# KiCad board OTTO-Beta-Main.kicad_pcb (continued)
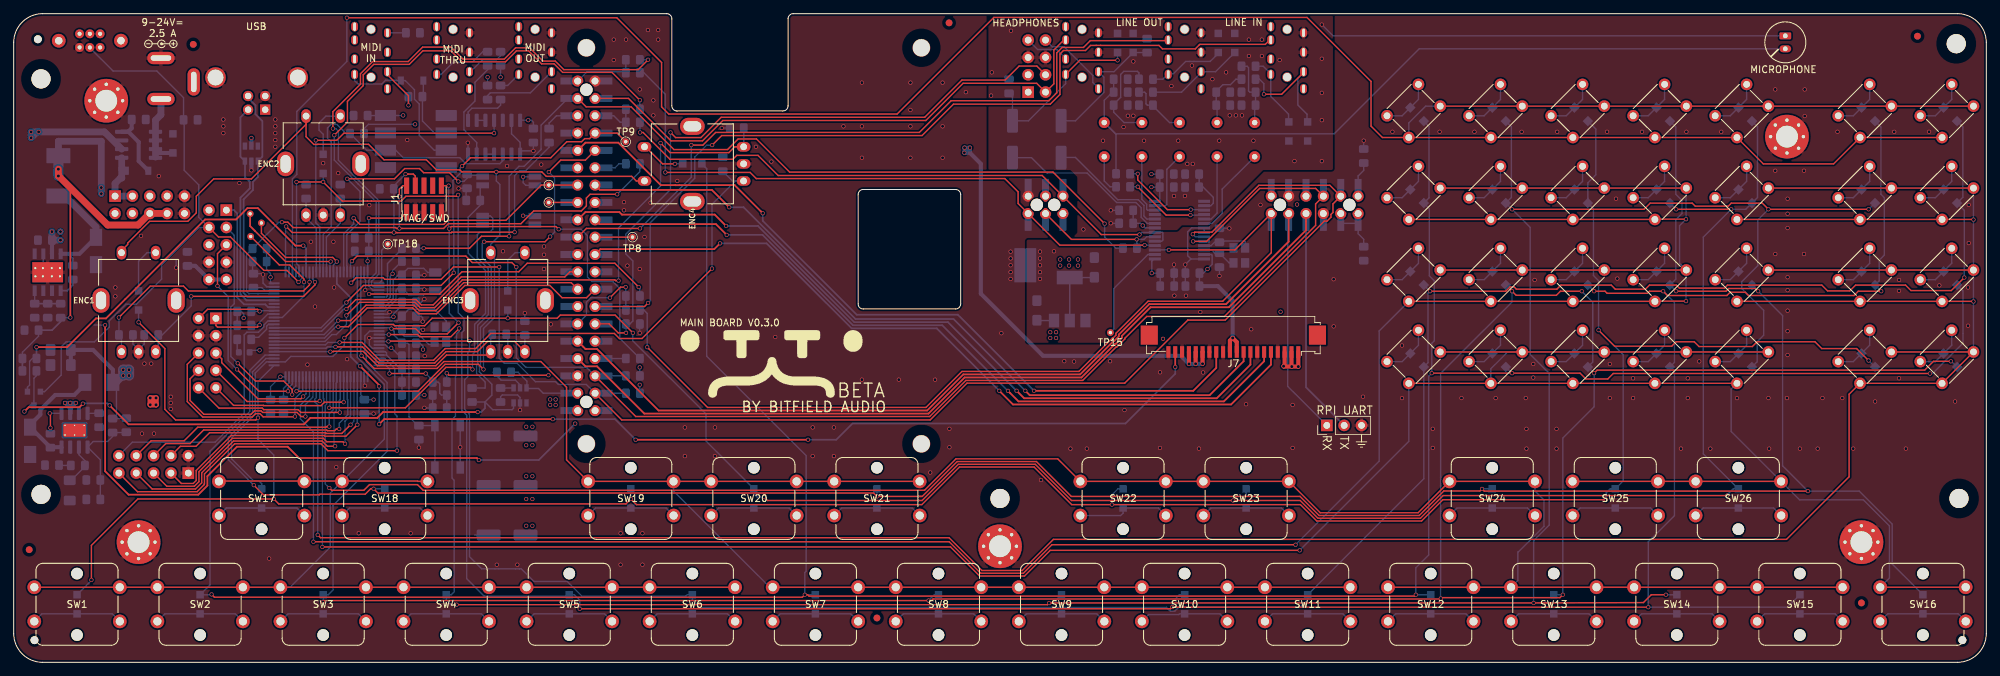
[diagram p0: board, top side]
## Routing (per net, layer and track width the routed paths; a pad name or vN(x,y) marks a point on that pad's centre or on a via; arc(x,y) is an arc through that point) (continued)
/MCU/ROW_8: length 332
  Top w0.203: v1(207.17,54.35) 218.24,54.35 218.87,54.98 219.47,54.98 219.8,54.65 225.72,54.65 226.32,55.25 233.67,55.25 234.27,54.65 238.67,54.65 239.27,55.25 243.2,55.25 243.64,54.8 250.22,54.8 250.67,55.25 264.47,55.25 265.32,54.4 268.57,54.4 269.42,55.25 276.72,55.25 277.52,54.45 283.42,54.45 v1(285.32,56.35) ; v1(54.82,47) 54.87,47.05 v1(66.67,47.05)
  Bottom w0.203: D64.1 285.11,78.41 285.11,68.11 D47.1 285.32,66.2 v1(285.32,56.35) ; D34.1 v1(207.17,54.35) 206.87,54.05 206.87,43.87 D27.1 206.26,26.89 D11.1 189.27,9.15 188.17,8.05 170.38,8.05 169.83,7.5 169.18,7.5 168.63,8.05 100.37,8.05 99.27,9.15 D6.1 98.52,9.9 98.32,9.7 83.11,9.7 80.96,11.85 76.1,11.85 74.25,13.7 73.96,13.7 73.96,13.7 73.38,13.7 73.38,13.7 70.96,13.7 70.96,13.7 70.38,13.7 70.38,13.7 68.44,13.7 66.67,15.47 ; v1(66.67,47.05) 66.67,45.6 66.42,45.35 66.42,41.85 65.97,41.4 65.97,37.05 66.67,36.35 66.67,15.51 ; U202.18 v1(54.82,47)
/MCU/SPI_MISO_MCU: length 16
  Top w0.203: TP17.1 36.24,62.83 39.77,59.3 42.56,59.3 42.56,59.3 46.67,59.3 v1(47.27,58.7)
  Bottom w0.203: v1(47.27,58.7) 46.77,58.2 46.77,57.17
/MCU/SPI_SCLK_MCU: length 17.3
  Top w0.203: 35.32,63.15 39.77,58.7 v1(46.37,58.7)
  Top w0.254: TP16.1 34.59,63.88 35.32,63.15
  Bottom w0.203: 46.27,57.17 46.27,58.6 v1(46.37,58.7)
/MCU/STATUS_LED: length 4.4
  Bottom w0.203: 38.09,49.5 37.26,49.5 36.99,49.23 36.99,48.77 35.82,47.6 34.74,47.6
/MCU/USBD_N: length 34
  Bottom w0.254: USB201.2 33.17,79.82 33.17,74.05 U204.3
  Bottom w0.261: 38.09,53 38.08,53.02 34.05,53.02 33.17,53.9 33.17,68.05 34.54,69.42 34.54,70.38 33.84,71.07 33.84,73.42
/MCU/USBD_P: length 35.5
  Bottom w0.254: 34.15,82.8 35.37,81.58 35.37,80.27 36.37,79.27 36.37,74.05 U204.1
  Bottom w0.261: 38.09,53.5 34.22,53.5 33.63,54.09 33.63,67.81 35,69.18 35,70.38 35.72,71.1 35.72,73.42
/PWM1_GPIO13_RASPI: length 73.7
  Top w0.203: TP9.1 88.26,77.51 J201.33 84.23,76.7 83.52,76.7 83.07,76.25 80.91,76.25 78.56,73.9 66.82,73.9 v1(65.59,72.67) ; v1(48.67,52.7) 48.67,52.7 51.17,55.2 62.52,55.2 v1(64.37,57.05)
  Bottom w0.203: v1(48.67,52.7) 44.97,49 38.09,49 ; v1(64.37,57.05) 64.37,64.71 64.26,64.82 64.26,70.57 65.3,71.6 65.3,72.38 v1(65.59,72.67) ; J201.33 J201.33
/SPI_MISO_RASPI: length 6.9
  Top w0.203: J201.21 TP8.1
  Bottom w0.203: J201.21 J201.21
AMP_ENABLE: length 100.3
  Top w0.203: v1(89.57,48.25) 88.42,48.25 87.1,49.57 J201.11 ; v1(96.07,77.6) 96.82,76.85 100.52,76.85 103.5,79.82 133.25,79.82 138.7,85.27 145.02,85.27 147.07,87.32 149.66,87.32 J2.4
  Bottom w0.203: 87.1,49.57 J201.11 J201.11 ; v1(96.07,77.6) 96.07,69.25 89.55,62.73 89.55,59.79 90.57,58.77 90.57,50 90.12,49.55 R26.1 ; v1(89.57,48.25) 89.57,49.45 89.54,49.47
BL_PWM: length 114.7
  Top w0.254: J201.32 83.64,76.11 88.44,76.11 94.66,69.88 96.76,69.88 96.77,69.87 97.37,69.87 97.38,69.88 105.45,69.88 v1(109.57,65.77) ; v1(149.24,39.77) 172.55,39.77 175.9,43.13 J7.13
  Bottom w0.203: J201.32 J201.32
  Bottom w0.254: v1(109.57,65.77) 109.57,64.65 123.31,50.91 138.1,50.91 v1(149.24,39.77)
DISPLAY_RESET: length 112.5
  Top w0.254: J7.9 179.9,44.1 174.93,39.12 148.62,39.12 v1(147.97,39.77) ; J201.27 85.74,69.19 102.12,69.19 v1(104.66,66.65)
  Bottom w0.254: v1(104.66,66.65) 106.76,66.65 123.14,50.28 137.47,50.28 v1(147.97,39.77) ; J201.27 J201.27
HP_SENSE: length 83
  Top w0.203: 153.87,91.3 153.77,91.3 152.14,89.67 152.14,84.72 J2.2 149.64,84.8 138.87,84.8 133.42,79.35 103.72,79.35 100.75,76.38 96.14,76.38 89.93,82.59 J201.37
  Bottom w0.203: J201.37 J201.37
I2C_SCL: length 206.4
  Top w0.203: v1(73.52,57.9) 72.87,58.55 67.08,58.55 66.14,59.5 50.22,59.5 v1(49.47,58.75) ; J201.5 90.99,36 133.98,36 139.27,41.29 156.36,41.29 161.25,46.18 161.35,46.18 162.53,47.37 162.53,47.46 165.73,50.66 177.11,50.66 190.43,63.98 190.43,67.13 J206.5 190.43,69.41 182.25,69.41 174.49,61.65 v1(172.52,61.65)
  Bottom w0.203: R202.2 J201.5 J201.5 83.79,43.2 74.92,43.2 73.52,44.6 v1(73.52,57.9) ; v1(49.47,58.75) 49.27,58.55 49.27,57.17 ; 173.37,61.67 173.34,61.65 v1(172.52,61.65) ; J206.5 J206.5
I2C_SDA: length 211.5
  Top w0.203: J201.3 88.95,35.5 134.06,35.5 139.44,40.89 162.51,40.89 171.75,50.12 171.75,50.12 177.21,50.12 191.7,64.62 192.1,64.62 192.68,65.2 192.68,65.6 192.97,65.89 192.97,67.13 J206.3 192.52,69.86 182.13,69.86 175.27,63 172.77,63 v1(172.47,62.7) ; v1(71.02,57.9) 64.33,57.9 62.53,56.1 54.27,56.1 54.05,56.32 50.09,56.32 v1(49.37,55.6)
  Bottom w0.203: v1(49.37,55.6) 49.77,56 49.77,57.17 ; J206.3 J206.3 ; 173.37,62.32 172.84,62.32 v1(172.47,62.7) ; v1(71.02,57.9) 71.02,44.55 71.77,43.8 73.62,43.8 76.32,41.1 79.27,41.1 79.67,40.7 83.75,40.7 J201.3 J201.3 89.53,39.41 R205.2
I2S_BCLK: length 15.2
  Top w0.203: v1(89.52,54.95) 88.77,54.95 v1(87.22,53.4)
  Bottom w0.203: R231.1 R235.1 89.52,53.67 v1(89.52,54.95) ; J201.12 J201.12 83.78,50.85 83.78,52.76 84.42,53.4 v1(87.22,53.4)
I2S_DIN: length 131.2
  Top w0.203: v1(59.97,60.65) 66.68,60.65 68.43,62.4 72.47,62.4 v1(72.47,62.4) ; J201.38 83.74,81.35 90.32,81.35 96.57,75.1 104.42,75.1 105.97,76.65 108.65,76.65 113.5,71.8 152.02,71.8 v1(159.57,64.25)
  Bottom w0.203: v1(72.47,62.4) 72.47,71.2 73.92,72.65 74.67,72.65 77.15,75.12 77.15,78.67 J201.38 J201.38 ; v1(159.57,64.25) 159.57,62.3 161.22,60.65 162.25,60.65 ; R237.1 v1(59.97,60.65)
I2S_DOUT: length 11
  Bottom w0.203: R238.1 R234.1 89.4,86.5 83.87,86.5 J201.40 J201.40
I2S_LRCLK: length 6.8
  Bottom w0.203: R236.1 R232.1 88.72,79.1 87.77,80.05 J201.35 J201.35
LI_SENSE: length 128.9
  Top w0.203: J201.13 92.27,52.11 v1(92.8,52.63) ; v1(102.17,75.75) 103.57,77.15 132.87,77.15 137.47,81.75 151.62,81.75 153.04,83.17 153.04,89.09 153.55,89.6 156.77,89.6 157.52,90.35 158.34,90.35 158.34,90.35 159,90.35 159,90.35 167.52,90.35 168.03,89.84 172.84,89.84 172.87,89.87 172.87,89.88 173.34,90.35 173.35,90.35 173.5,90.5 183.07,90.5 183.87,91.3
  Bottom w0.203: v1(92.8,52.63) 93.1,52.93 93.1,64.38 99.62,70.9 99.62,74 101.37,75.75 v1(102.17,75.75) ; J201.13 J201.13
LO_SENSE: length 106
  Top w0.203: 168.87,91.3 168.62,91.05 157.48,91.05 156.48,90.05 153.36,90.05 152.57,89.26 152.57,83.41 151.41,82.25 137.12,82.25 132.47,77.6 102.67,77.6 100.82,75.75 v1(99.12,75.75) ; v1(91.62,63.55) 83.78,63.55 J201.22
  Bottom w0.203: v1(99.12,75.75) 99.12,71.05 v1(91.62,63.55) ; J201.22 J201.22
MIDI_IN: length 51.2
  Bottom w0.203: U205.3 71.54,73.45 71.12,73.02 66.14,73.02 65.26,73.9 56.99,73.9 55.89,75 U201.6 51.64,75 R216.2 48.62,77.45 47.29,78.78 46.41,78.78 45.9,78.27 45.9,76.75 46.45,76.21 46.45,63.83 45.27,62.65 45.27,57.17
MIDI_OUT: length 47.9
  Top w0.203: v1(70.27,77.5) 48.3,77.5 47.25,76.45 v1(44.2,76.45)
  Bottom w0.203: U205.11 v1(70.27,77.5) ; 44.77,57.17 44.77,63.8 44.2,64.38 v1(44.2,76.45)
PI_PWR_EN: length 142.7
  Top w0.203: v1(78.27,71.8) 80.02,73.55 83.62,73.55 J201.31 ; v1(78.47,62.35) 77.72,61.6 v1(68.82,61.6)
  Top w0.254: v1(14.04,37.63) 16.81,34.86 42.46,34.86 43.4,35.8 53.18,35.8 54.03,36.65 v1(67.87,36.65) ; v1(1.57,36.74) 2.2,37.37 9.61,37.37 v1(10.13,37.88)
  Bottom w0.203: U5.3 73.12,37.22 72.9,37 70.47,37 ; v1(78.27,71.8) 79.12,70.95 79.12,63 v1(78.47,62.35) ; v1(68.82,61.6) 68.52,61.3 68.52,59.25 69.87,57.9 69.87,50.65 68.27,49.05 68.27,43.49 68.12,43.34 68.12,42.55 69.94,40.73 69.94,39.13 68.94,38.12 ; R16.1 68.94,38.12 ; 68.94,38.12 70.07,37 70.52,37 ; J201.31 J201.31 ; Q2.3 2.96,41.62 3.33,41.98 R20.2
  Bottom w0.254: U2.3 9.54,37.3 v1(10.13,37.88) 10.17,37.93 13.74,37.93 v1(14.04,37.63) ; v1(1.57,36.74) 2.47,37.64 Q2.3 ; v1(67.87,36.65) 68.37,36.65 68.94,37.22 68.94,38.12
PWR_BUTTON: length 94.2
  Top w0.203: J4.4 29.96,62.3 31.7,62.3 36.6,57.4 39.97,57.4 v1(41.67,55.7)
  Bottom w0.203: v1(41.67,55.7) 41.67,55.74 42.27,56.34 42.27,57.17 ; 24.94,79.4 24.94,72.06 27.07,69.93 27.07,65.18 J4.4 27.12,63.69 21.63,58.2 21.63,56.12 17.96,52.45 16.43,52.45 13.98,50.01 13.98,49.1 11.81,46.93 7.67,46.93 6.95,46.21 6.95,42.08 4.52,39.64 Q2.2 ; C4.1 24.84,82.69 20.94,86.6 14.54,86.6 11.14,90 SW49.2
PWR_HOLD: length 61.1
  Top w0.254: v1(3.34,46.16) 7.83,46.16 12.04,50.37 13.51,50.37 28,64.86 32.53,64.86 34.19,66.52 35.72,66.52 37.89,64.35 37.89,64.35 41.22,61.02 v1(42.36,61.02)
  Bottom w0.203: Q2.1 2.01,40.3 2.33,40.61 2.33,44.08 2.75,44.51 R18.2
  Bottom w0.254: v1(3.34,46.16) 3.34,44.53 R18.2 ; 42.77,57.17 42.77,60.61 v1(42.36,61.02)
RPI_UART_RX: length 159
  Top w0.254: J201.10 83.64,45.89 85.32,45.89 94.33,36.88 133.62,36.88 138.91,42.17 155.99,42.17 160.89,47.06 160.98,47.06 161.65,47.73 161.65,48 166.1,52.46 177.33,52.46 186.49,61.61 J206.10
  Bottom w0.203: J206.10 186.35,65.59 186.35,40.42 J9.1
  Bottom w0.254: J201.10 J201.10 ; J206.10 J206.10
RPI_UART_TX: length 159.8
  Top w0.254: J206.8 189.03,63.29 177.74,52 166.29,52 162.1,47.82 162.1,47.54 161.17,46.61 161.07,46.61 156.18,41.72 139.1,41.72 133.81,36.43 92.24,36.43 85.32,43.35 83.64,43.35 J201.8
  Bottom w0.254: J206.8 J206.8 189.03,40.28 J9.2 ; J201.8 J201.8
SPI_CS_RASPI_DISPLAY: length 115.5
  Top w0.254: v1(104.21,63.91) 102.54,65.57 88.97,65.57 88.6,65.95 83.64,65.95 J201.24 ; J7.8 180.9,43.6 175.97,38.67 147.8,38.67 v1(146.7,39.77)
  Bottom w0.254: v1(104.21,63.91) 108.86,63.91 122.95,49.82 136.65,49.82 v1(146.7,39.77) ; J201.24 J201.24
SPI_MOSI_MCU: length 150
  Top w0.254: J7.19 169.9,43.27 ; v1(50.69,43.37) 53.46,40.6 v1(53.46,40.42) ; v1(116.2,32.6) v1(90.97,32.6) ; v1(78.86,35.62) 54.2,35.62 v1(53.46,34.88)
  Bottom w0.254: v1(78.86,35.62) 87.95,35.62 v1(90.97,32.6) ; 47.27,57.17 47.27,55.43 49.29,53.41 49.29,44.77 v1(50.69,43.37) ; v1(116.2,32.6) 120.31,32.6 122.7,34.98 162.63,34.98 169.9,42.26 v1(169.9,43.26) ; v1(53.46,40.42) v1(53.46,34.88)
SPI_MOSI_RASPI: length 115
  Top w0.254: J7.5 183.9,43.6 178.07,37.76 146.17,37.76 v1(144.16,39.77) ; J201.19 85.82,60.51 102.47,60.51 v1(103.32,61.36)
  Bottom w0.254: v1(103.32,61.36) 110.13,61.36 122.57,48.91 135.02,48.91 v1(144.16,39.77) ; J201.19 J201.19
SPI_SCLK_RASPI: length 114.1
  Top w0.254: J7.6 182.9,44.1 177.02,38.22 146.98,38.22 v1(145.43,39.76) ; J201.23 85.67,64.18 102.72,64.18 v1(104.3,62.6)
  Bottom w0.254: J201.23 J201.23 ; v1(104.3,62.6) 109.53,62.6 122.76,49.37 135.82,49.37 v1(145.43,39.76)
TRIGGER1: length 53.5
  Top w0.203: v1(47.47,49.15) 48.95,49.15 51.7,51.9 58.37,51.9 59.22,51.05 61.85,51.05 66,55.2 78.42,55.2 80.22,53.4 83.79,53.4 J201.15
  Bottom w0.203: 38.09,47.5 45.47,47.5 47.12,49.15 v1(47.47,49.15) ; J201.15 J201.15
TRIGGER2: length 50.1
  Top w0.203: v1(47.47,50.05) 49.28,50.05 51.53,52.3 58.54,52.3 59.34,51.5 61.72,51.5 65.82,55.6 81.55,55.6 J201.16
  Bottom w0.203: 38.09,48 45.4,48 47.45,50.05 v1(47.47,50.05) ; J201.16 J201.16
TRIGGER3: length 50.1
  Top w0.203: J201.18 81.35,57.19 80.61,56.45 65.47,56.45 61.37,52.35 59.63,52.35 58.85,53.13 50.04,53.13 v1(48.67,51.75)
  Bottom w0.203: v1(48.67,51.75) 48.3,51.75 45.05,48.5 38.09,48.5 ; J201.18 J201.18
Net-(C2-Pad1): length 18.1
  Bottom w0.254: C2.1 8.65,59.14 7.96,59.83 U1.8
  Bottom w0.6: U1.8 9.62,59.83 D65.1
  Bottom w1: 6.55,68.21 7.58,68.21 12.04,63.75 D65.1
Net-(C2-Pad2): length 2.9
  Bottom w0.254: U1.1 7.84,54.43 8.65,55.23 C2.2
Net-(C6-Pad1): length 1.7
  Bottom w0.203: U2.4 12.47,36.47 C6.1
Net-(C7-Pad1): length 17.4
  Bottom w0.6: L2.1 10.41,40.7 8.86,39.15 6.08,39.15 3.91,36.98 3.91,36.29 2.41,34.79 D54.1 5.38,31.47 C7.1 5.45,31.52 U2.8
Net-(C7-Pad2): length 4.8
  Top w0.203: v1(5.38,34.35) 5.38,36.37 v1(5.27,36.47)
  Bottom w0.203: C7.2 v1(5.38,34.35) ; U2.1 v1(5.27,36.47) 5.25,36.49
Net-(C8-Pad1): length 6.3
  Bottom w0.203: C9.1 8.41,26.67 10.42,28.67 C8.1 10.42,29.54 9.54,30.41 U2.6
Net-(C8-Pad2): length 1.8
  Bottom w0.203: R5.1 6.68,28.84 C8.2
Net-(C87-Pad1): length 1.9
  Bottom w0.203: C87.1 73.09,40.17 U5.4
Net-(C98-Pad2): length 2.7
  Bottom w0.203: TRS203.S C98.2
Net-(C221-Pad1): length 3.7
  Bottom w0.203: U202.49 40.27,40.92 39.47,40.12 C221.1
Net-(C222-Pad1): length 3.2
  Bottom w0.203: C222.1 36.3,54.87 36.67,54.5 38.09,54.5
Net-(C251-Pad1): length 14.3
  Bottom w0.203: C251.1 176.77,69.3 176.77,65.75 175.29,64.27 173.37,64.27
Net-(C251-Pad2): length 10.1
  Bottom w0.203: C251.2 181.52,81.47 C252.1 R219.1 180.82,83.5 180.62,83.7 180.62,87.1 180.42,87.3 R218.1
Net-(C253-Pad1): length 14.6
  Bottom w0.203: R220.1 164.59,86.32 164.37,86.55 162.37,86.55 161.92,86.1 161.92,82.75 160.89,81.72 R221.2 160.89,80.57 162.42,79.05 C253.1
Net-(C253-Pad2): length 9.2
  Bottom w0.203: U207.12 165.84,66.22 165.73,66.34 165.73,67.09 165.02,67.8 C253.2
Net-(C254-Pad1): length 11.3
  Bottom w0.203: C254.1 176.02,65.8 175.14,64.92 174.18,64.92 174.17,64.92 173.37,64.92
Net-(C254-Pad2): length 9.1
  Bottom w0.203: C254.2 176.02,81.47 C256.1 R224.1 175.89,83.62 176.87,84.6 177.97,84.6 178.77,85.4 R222.1
Net-(C255-Pad1): length 8.7
  Bottom w0.203: C255.1 169.07,79.05 166.64,81.47 R225.2 165.82,81.6 165.62,81.8 165.62,83.3 165.42,83.5 R223.1
Net-(C255-Pad2): length 8.8
  Bottom w0.203: C255.2 168.67,72.2 168.67,67.07 168.47,66.88 167.67,66.88
Net-(C257-Pad1): length 5.6
  Bottom w0.203: C257.1 159.52,70.5 160.37,69.65 161.25,69.65
Net-(C258-Pad1): length 25.6
  Bottom w0.203: C258.1 148.87,73.91 151.13,71.66 157.01,71.66 161.32,67.35 164.15,67.35 164.92,66.58 164.92,65.18 165.82,64.27 U207.9
Net-(C262-Pad1): length 19.1
  Bottom w0.203: 153.21,73.94 155.3,73.94 161.49,67.75 164.5,67.75 165.32,66.93 165.32,65.35 165.75,64.92 167.67,64.92
Net-(C264-Pad2): length 7.7
  Bottom w0.203: 173.39,71.5 173.39,69.6 173.97,69.6 175.47,68.1 175.47,67.23 175.11,66.88 173.37,66.88
Net-(C265-Pad1): length 7.8
  Bottom w0.203: Y203.1 180.12,61.6 180.02,61.7 176.55,61.7 176.37,61.52 ; 173.37,61.02 175.14,61.02 175.64,61.52 176.22,61.52
Net-(C266-Pad1): length 5.7
  Bottom w0.203: Y203.3 177.79,58.5 C266.1 ; 173.37,60.37 175.25,60.37 175.75,59.87 176.22,59.87
Net-(D1-Pad2): length 13.4
  Bottom w0.203: SW1.1 14.43,7.1 D1.2 4.12,7.1 SW1.1
Net-(D2-Pad2): length 13.4
  Bottom w0.203: SW2.1 32.43,7.1 D2.2 22.12,7.1 SW2.1
Net-(D3-Pad2): length 13.4
  Bottom w0.203: SW3.1 50.43,7.1 D3.2 40.12,7.1 SW3.1
Net-(D4-Pad2): length 13.4
  Bottom w0.203: SW4.1 58.12,7.1 D4.2 68.43,7.1 SW4.1
Net-(D5-Pad2): length 13.4
  Bottom w0.203: SW5.1 76.12,7.1 D5.2 86.43,7.1 SW5.1
Net-(D6-Pad2): length 13.4
  Bottom w0.203: SW6.1 104.43,7.1 D6.2 94.12,7.1 SW6.1
Net-(D7-Pad2): length 13.4
  Bottom w0.203: SW7.1 122.43,7.1 D7.2 112.12,7.1 SW7.1
Net-(D8-Pad2): length 13.4
  Bottom w0.203: SW8.1 140.43,7.1 D8.2 130.12,7.1 SW8.1
Net-(D9-Pad2): length 13.4
  Bottom w0.203: SW9.1 158.43,7.1 D9.2 148.12,7.1 SW9.1
Net-(D10-Pad2): length 13.4
  Bottom w0.203: SW10.1 176.43,7.1 D10.2 170.52,7.1 170.42,7 166.02,7 SW10.1
Net-(D11-Pad2): length 13.4
  Bottom w0.203: SW11.1 184.12,7.1 D11.2 194.43,7.1 SW11.1
Net-(D12-Pad2): length 13.4
  Bottom w0.203: SW12.1 202.12,7.1 D12.2 212.43,7.1 SW12.1
Net-(D13-Pad2): length 13.4
  Bottom w0.203: SW13.1 220.12,7.1 D13.2 230.43,7.1 SW13.1
Net-(D14-Pad2): length 13.4
  Bottom w0.203: SW14.1 248.43,7.1 D14.2 238.12,7.1 SW14.1
Net-(D15-Pad2): length 13.4
  Bottom w0.203: SW15.1 266.43,7.1 D15.2 256.12,7.1 SW15.1
Net-(D16-Pad2): length 13.6
  Top w0.203: SW16.1 273.22,6
  Bottom w0.203: SW16.1 284.42,7.11 D16.2 274.13,7.11 SW16.1
Net-(D17-Pad2): length 13.4
  Bottom w0.254: SW17.1 41.43,22.6 D17.2 31.12,22.6 SW17.1
Net-(D18-Pad2): length 13.4
  Bottom w0.203: SW18.1 59.43,22.6 D18.2 49.12,22.6 SW18.1
Net-(D19-Pad2): length 13.4
  Bottom w0.203: SW19.1 95.43,22.6 D19.2 85.12,22.6 SW19.1
Net-(D20-Pad2): length 13.4
  Bottom w0.203: SW20.1 113.43,22.6 D20.2 103.12,22.6 SW20.1
Net-(D21-Pad2): length 13.4
  Bottom w0.203: SW21.1 131.43,22.6 D21.2 121.12,22.6 SW21.1
Net-(D22-Pad2): length 13.9
  Bottom w0.203: SW22.1 167.43,22.6 D22.2 162.27,21.85 161.92,21.5 SW22.1
Net-(D23-Pad2): length 13.4
  Bottom w0.203: SW23.1 185.43,22.6 D23.2 175.12,22.6 SW23.1
Net-(D24-Pad2): length 13.4
  Bottom w0.203: SW24.1 221.43,22.6 D24.2 211.12,22.6 SW24.1
Net-(D25-Pad2): length 13.4
  Bottom w0.203: SW25.1 239.43,22.6 D25.2 229.12,22.6 SW25.1
Net-(D26-Pad2): length 13.4
  Bottom w0.203: SW26.1 247.12,22.6 D26.2 257.43,22.6 SW26.1
Net-(D27-Pad2): length 7.8
  Bottom w0.203: SW27.1 205.48,46.44 D27.2 203.08,44.04 SW27.1
Net-(D28-Pad2): length 7.8
  Bottom w0.203: SW28.1 217.48,46.44 D28.2 215.08,44.04 SW28.1
Net-(D29-Pad2): length 7.8
  Bottom w0.203: SW29.1 229.48,46.44 D29.2 227.08,44.04 SW29.1
Net-(D30-Pad2): length 7.8
  Bottom w0.203: SW30.1 241.48,46.44 D30.2 239.08,44.04 SW30.1
Net-(D31-Pad2): length 7.8
  Bottom w0.203: SW31.1 253.48,46.44 D31.2 251.08,44.04 SW31.1
Net-(D32-Pad2): length 7.8
  Bottom w0.203: SW32.1 271.48,46.44 D32.2 269.08,44.04 SW32.1
Net-(D33-Pad2): length 7.8
  Bottom w0.203: SW33.1 283.48,46.44 D33.2 281.08,44.04 SW33.1
Net-(D34-Pad2): length 7.8
  Bottom w0.203: SW34.1 205.48,58.44 D34.2 203.08,56.04 SW34.1
Net-(D35-Pad2): length 7.8
  Bottom w0.203: SW35.1 217.48,58.44 D35.2 215.08,56.04 SW35.1
Net-(D36-Pad2): length 7.8
  Bottom w0.203: SW36.1 229.48,58.44 D36.2 227.08,56.04 SW36.1
Net-(D37-Pad2): length 7.8
  Bottom w0.203: SW37.1 241.48,58.44 D37.2 239.08,56.04 SW37.1
Net-(D38-Pad2): length 7.8
  Bottom w0.203: SW38.1 253.48,58.44 D38.2 251.08,56.04 SW38.1
Net-(D39-Pad2): length 7.8
  Bottom w0.203: SW39.1 271.48,58.44 D39.2 269.08,56.04 SW39.1
Net-(D40-Pad2): length 7.8
  Bottom w0.203: SW40.1 283.48,58.44 D40.2 281.08,56.04 SW40.1
Net-(D41-Pad2): length 7.8
  Bottom w0.203: SW41.1 205.48,70.44 D41.2 203.08,68.04 SW41.1
Net-(D42-Pad2): length 7.8
  Bottom w0.203: SW42.1 217.48,70.44 D42.2 215.08,68.04 SW42.1
Net-(D43-Pad2): length 7.8
  Bottom w0.203: SW43.1 229.48,70.44 D43.2 227.08,68.04 SW43.1
Net-(D44-Pad2): length 7.8
  Bottom w0.203: SW44.1 241.48,70.44 D44.2 239.08,68.04 SW44.1
Net-(D45-Pad2): length 7.8
  Bottom w0.203: SW45.1 253.48,70.44 D45.2 251.08,68.04 SW45.1
Net-(D46-Pad2): length 7.8
  Bottom w0.203: SW46.1 271.48,70.44 D46.2 269.08,68.04 SW46.1
Net-(D47-Pad2): length 7.8
  Bottom w0.203: SW47.1 283.48,70.44 D47.2 281.08,68.04 SW47.1
Net-(D49-Pad2): length 10.8
  Bottom w0.6: D49.2 18.29,73.4 18.29,76.19 16.77,77.7 Q1.4 16.74,77.7 17.27,78.22 R13.1
Net-(D57-Pad1): length 1.9
  Bottom w0.203: 32.7,47.6 32.7,45.7
Net-(D58-Pad2): length 7.8
  Bottom w0.203: SW50.1 203.08,80.04 D58.2 205.48,82.44 SW50.1
Net-(D59-Pad2): length 7.8
  Bottom w0.203: SW51.1 217.48,82.44 D59.2 215.08,80.04 SW51.1
Net-(D60-Pad2): length 7.8
  Bottom w0.203: SW52.1 229.48,82.44 D60.2 227.08,80.04 SW52.1
Net-(D61-Pad2): length 7.8
  Bottom w0.203: SW53.1 241.48,82.44 D61.2 239.08,80.04 SW53.1
Net-(D62-Pad2): length 7.8
  Bottom w0.203: SW54.1 253.48,82.44 D62.2 251.08,80.04 SW54.1
Net-(D63-Pad2): length 7.8
  Bottom w0.203: SW55.1 271.48,82.44 D63.2 269.08,80.04 SW55.1
Net-(D64-Pad2): length 7.8
  Bottom w0.203: SW56.1 283.48,82.44 D64.2 281.08,80.04 SW56.1
Net-(D202-Pad2): length 7.4
  Bottom w0.203: ENC1.S2 19.52,60 18.27,58.75 D202.2
Net-(D203-Pad2): length 7.5
  Bottom w0.203: D203.2 72.27,58.9 73.37,60 ENC3.S2
Net-(D204-Pad2): length 8.4
  Bottom w0.203: ENC2.S2 45.67,80 44.67,79 44.67,77.94 45.27,77.34 D204.2
Net-(D205-Pad2): length 6.6
  Top w0.203: v1(96.72,73) 94.92,73 92.42,75.5 ENC4.S2
  Bottom w0.203: D205.2 v1(96.72,73)
Net-(D206-Pad1): length 9.9
  Bottom w0.203: U201.2 61.51,77.54 59.79,79.26 59.79,82.85 59.92,82.97 59.92,84.95
Net-(D206-Pad2): length 22.6
  Bottom w0.203: U201.3 61.51,75 59.32,77.2 59.32,81.77 58.62,82.47 58.62,83.85 57.27,85.2 D206.2 55.97,85.2 55.92,85.25 54.38,85.25 53.83,84.7 50.37,84.7 49.87,85.2 49.87,86.2
Net-(J201-Pad7): length 4.5
  Bottom w0.203: R3.2 89.53,44.49 J201.7 J201.7
Net-(J201-Pad29): length 4.7
  Bottom w0.203: R1.1 88.52,73 87.95,72.43 J201.29 J201.29
Net-(J201-Pad36): length 5.4
  Bottom w0.203: R2.2 78.32,78.97 79.4,80.05 J201.36 J201.36
Net-(J206-Pad7): length 1.4
  Bottom w0.203: J206.7 J206.7
Net-(J206-Pad11): length 1.4
  Bottom w0.203: J206.11 J206.11
Net-(J207-Pad2): length 1.4
  Bottom w0.203: J207.2 J207.2
Net-(J207-Pad3): length 1.4
  Bottom w0.203: J207.3 J207.3
Net-(R10-Pad2): length 15.3
  Bottom w0.203: R12.1 R9.1 12.68,29.67 10.82,31.52 U2.5 11.64,32.34 13.73,32.34 14.47,33.08 R8.2 16.43,33.65 R10.2
Net-(R11-Pad1): length 5.7
  Bottom w0.203: 3.07,52.55 3.07,54.42 U1.4
  Bottom w0.254: R15.1 R14.2
Net-(R17-Pad2): length 5.2
  Bottom w0.203: U5.5 74.07,40.65 73.39,41.32 71.3,41.32 70.12,42.5
Net-(R212-Pad1): length 7.2
  Bottom w0.203: U205.8 66.46,80.59 67.02,81.15 70.77,81.15 71.22,81.6 71.22,82.42
Net-(R212-Pad2): length 3.4
  Bottom w0.203: TRS201.T 72.25,84.47 R212.2 71.33,84.47
Net-(R213-Pad2): length 11.5
  Bottom w0.203: 78.67,86.35 TRS201.R1 75.57,83.4 69.72,83.4 69.32,83 69.32,82.42
Net-(R214-Pad1): length 15.2
  Bottom w0.203: R214.1 69.32,86.8 67.47,84.95 67.47,82.21 65.86,80.59 65.86,78 67.73,76.13 U205.6
Net-(R214-Pad2): length 8.8
  Bottom w0.203: TRS202.T 62.52,86.1 64.32,87.9 67.09,87.9 68.62,89.42 69.32,89.42
Net-(R215-Pad2): length 6.2
  Bottom w0.203: 66.67,86.35 68.57,88.25 70.62,88.25 71.22,88.85 71.22,89.42
Net-(R217-Pad2): length 7.3
  Top w0.203: v1(57.74,81.57) 57.74,82.98 54.67,86.05 54.67,86.35
  Bottom w0.203: R217.2 v1(57.74,81.57)
Net-(R226-Pad1): length 12.8
  Top w0.203: v1(172.17,66.3) 168.76,66.3 164.42,70.64 v1(164.42,71.55)
  Bottom w0.203: 173.37,66.22 173.29,66.3 v1(172.17,66.3) ; R226.1 v1(164.42,71.55)
Net-(R227-Pad1): length 11.8
  Top w0.203: v1(164.42,69.65) 168.57,65.5 v1(172.12,65.5)
  Bottom w0.203: 173.39,65.55 173.34,65.5 v1(172.12,65.5) ; R227.1 v1(164.42,69.65)
Net-(U205-Pad4): length 1.3
  Bottom w0.203: U205.4 U205.5
Net-(U205-Pad10): length 1.3
  Bottom w0.203: U205.9 U205.10

## Copper pours and planes (outline as drawn; the poured copper is in the pictures)
+3V3_ANALOG on Bottom: 156.27,55.3 152.57,55.3 152.57,59.5 156.27,59.5
+3V3_ANALOG on In1.Cu: 192.97,72.1 182.77,72.1 174.67,64 170.87,64 170.17,63.3 166.97,63.3 166.37,62.7 161.77,62.7 160.67,61.6 160.67,57.6 156.37,57.6 154.07,55.3 148.17,55.3 148.17,61.9 154.57,61.9 155.57,62.9 155.57,71.1 154.57,72.1 142.57,72.1 142.57,81.1 150.17,81.1 150.17,87.8 142.57,87.8 142.57,97.7 192.97,97.7
+3V3_MCU on In1.Cu: 77.37,37.7 25.17,37.69 25.17,40.36 15.67,40.3 15.67,66.6 26.92,66.8 27.02,72.6 77.37,72.6
+3V3_RASPI on In1.Cu: 89.17,67.3 137.17,67.3 141.47,71.6 154.27,71.6 155.07,70.8 155.07,63.1 154.37,62.4 147.57,62.4 147.57,54.8 154.17,54.8 156.47,57.1 161.07,57.1 161.07,61.4 161.87,62.2 166.57,62.2 167.17,62.8 170.27,62.8 170.97,63.5 174.77,63.5 182.87,71.6 193.37,71.6 193.37,94.8 198.27,94.8 198.27,67.5 193.47,67.5 178.37,52.4 146.67,52.4 137.27,43 111.87,43 111.87,38.5 87.77,38.5 85.27,36 84.47,36 83.87,36.6 83.87,40.8 77.77,40.8 77.77,73.1 57.87,73.1 57.87,86.5 78.57,86.5 81.17,83.9 89.17,83.9
+5V_RASPI on Bottom: 150.97,46.8 150.97,51 153.37,51 153.37,46.8
+5V_RASPI on Bottom: 79.72,39.85 82.52,39.85 82.52,36.45 78.82,36.45 76.12,39.15 74.77,39.15 74.77,40.65 78.92,40.65
+5V_RASPI on In1.Cu: 198.37,49.4 183.97,35 96.04,35 89.79,28.75 77.79,28.75 77.87,37.7 77.87,40.3 83.47,40.3 83.47,36.5 84.47,35.5 85.57,35.5 88.07,38 112.47,38 112.47,42.5 137.57,42.5 146.97,51.9 178.77,51.9 193.77,66.9 198.37,66.9
+5V_REG on Bottom: 21.43,36.94 19.22,36.92 19.22,39.38 21.43,39.38
+5V_REG on Bottom: 74.58,17.81 74.57,38.5 76.37,38.5 76.38,17.81
+5V_REG on In1.Cu: 149.67,87.3 149.67,81.6 142.07,81.6 142.07,72.1 141.27,72.1 137.07,67.8 89.77,67.8 89.77,84.4 81.37,84.4 78.77,87 57.47,87 57.47,73.1 26.27,73.1 26.2,67.35 15.15,67.35 15.17,39.8 24.7,39.77 24.7,37.3 76.67,37.3 76.67,17.6 -5.15,17.5 -5.26,96.6 141.8,96.6 142.07,87.3
GND on Top: 296.97,-2.1 -8.43,-2.1 -8.43,99.2 296.97,99.2
GND on Bottom: 295.27,-4.4 -10.63,-4.4 -10.63,97.4 295.27,97.4
GND on In2.Cu: 293.27,95.5 293.27,2.5 -4.73,2.5 -4.73,95.4
GNDA on Top: 192.97,72.1 182.77,72.1 174.67,64 170.87,64 170.17,63.3 166.97,63.3 166.37,62.7 161.77,62.7 160.67,61.6 160.67,46.8 148.17,46.8 148.17,61.9 154.57,61.9 155.57,62.9 155.57,71.1 154.57,72.1 142.57,72.1 142.57,96.9 192.97,96.9
GNDA on Bottom: 192.97,72.1 182.77,72.1 174.67,64 170.87,64 170.17,63.3 166.97,63.3 166.37,62.7 161.77,62.7 160.67,61.6 160.67,46.8 148.17,46.8 148.17,61.9 154.57,61.9 155.57,62.9 155.57,71.1 154.57,72.1 142.57,72.1 142.77,96.5 193.17,96.5
GNDA on In2.Cu: 192.97,72.1 182.77,72.1 174.67,64 170.87,64 170.17,63.3 166.97,63.3 166.37,62.7 161.77,62.7 160.67,61.6 160.67,46.8 148.17,46.8 148.17,61.9 154.57,61.9 155.57,62.9 155.57,71.1 154.57,72.1 142.57,72.1 142.57,96 192.97,96
/MCU/BARREL_IN on Bottom: 16.62,73.75 14.97,73.75 14.97,76.6 16.62,76.6
/MCU/PERIPHERALS/BARL on Bottom: 21.57,73.75 19.92,73.75 19.92,77.9 21.57,77.9

## Text on the board
B.Silkscreen: BOOT 0/1 | PO PI/LED | STATUS | MCU RST | JLCJLCJLCJLC
F.Silkscreen: 9-24V= / 2.5 A | USB | MIDI / IN | JTAG/SWD | MIDI / THRU | MIDI / OUT | MAIN BOARD V0.3.0 | HEADPHONES | LINE OUT | LINE IN | MICROPHONE | RPI UART | RX | TX | BY BITFIELD AUDIO | BETA
